# Altium PCB 2024001 A Soutra Plainsong Metronome_PCB.PcbDoc (part 1 of 2) (continued)
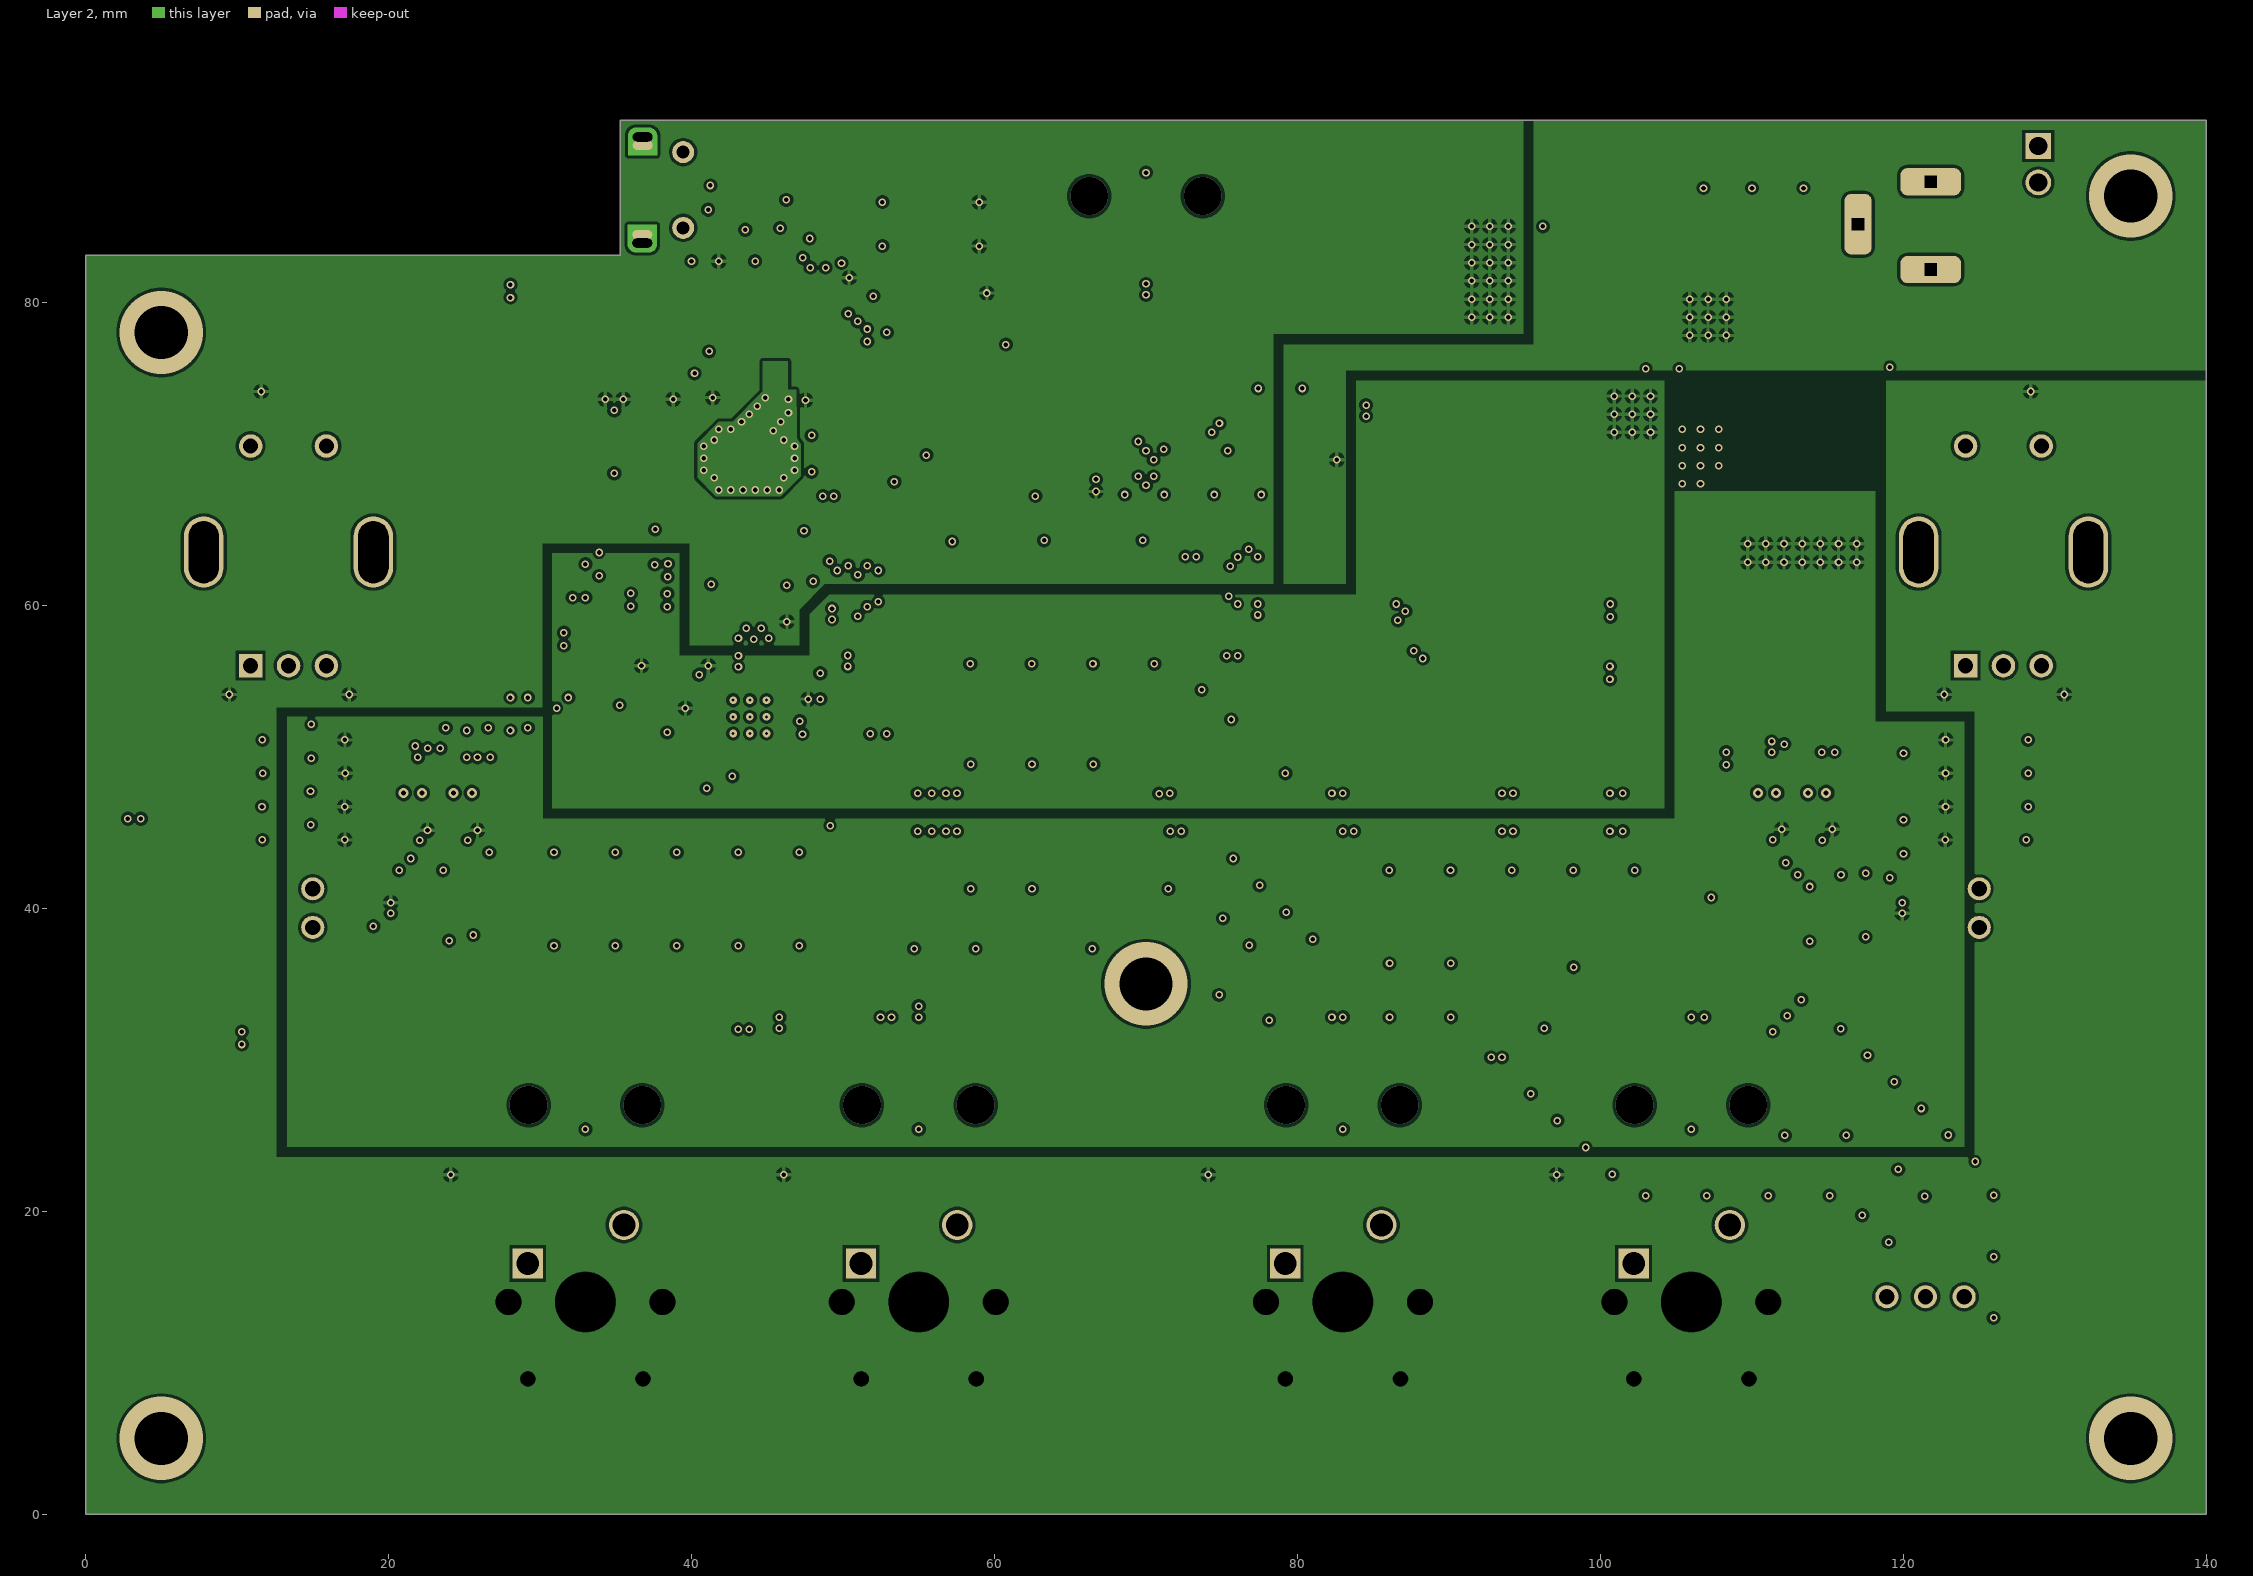
[diagram p3: Layer 2]
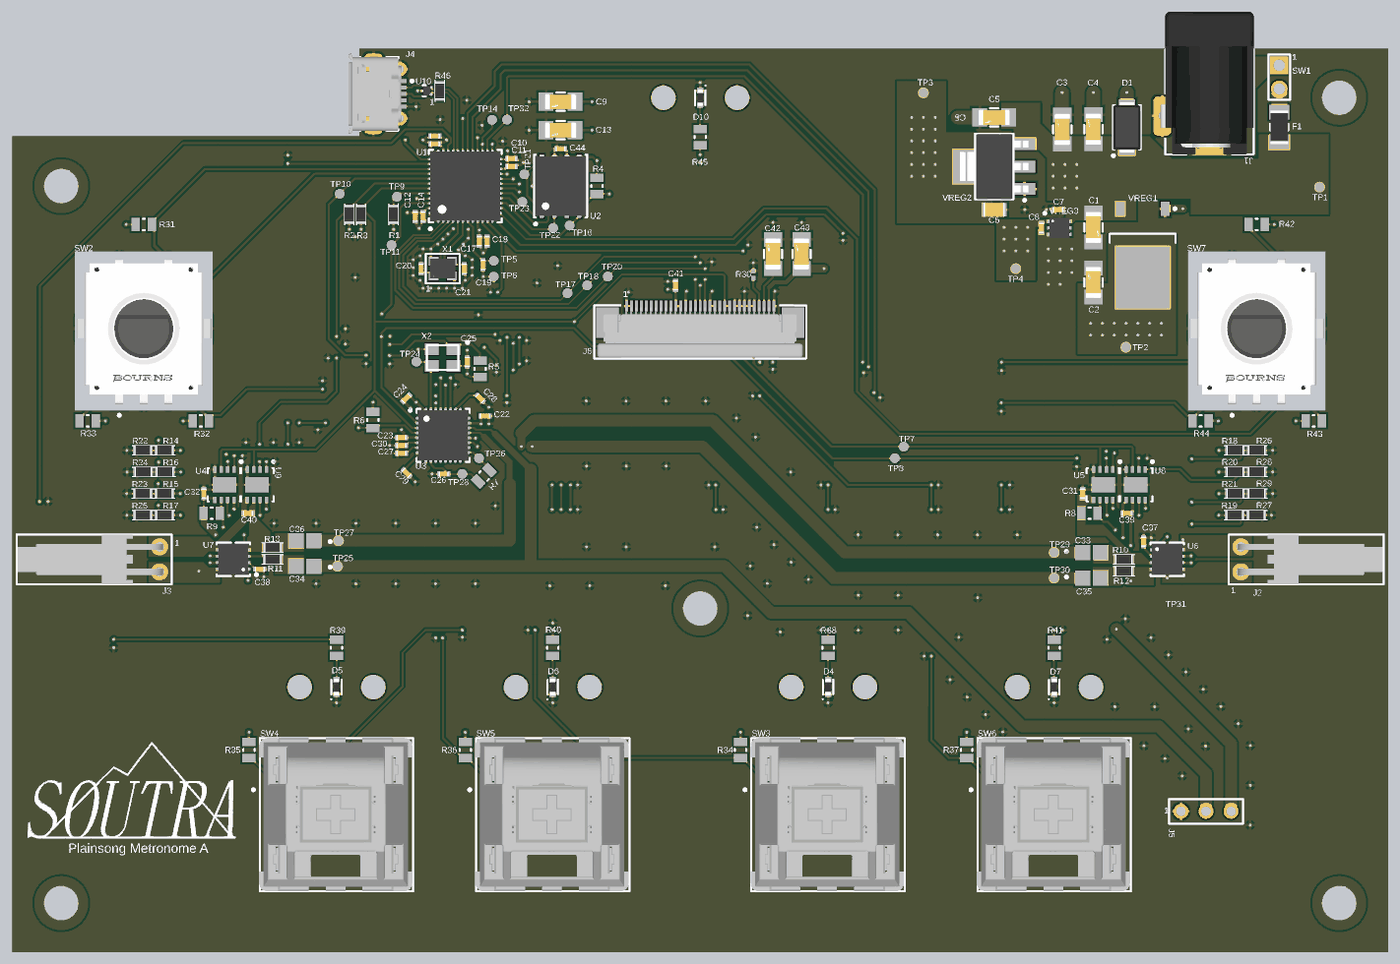
[diagram p5: 3D render of the assembled board from above, using the file's embedded part models]

## Layer stack, top to bottom
Top Solder: solder mask 0.0102, Solder Resist, Dk 3.5
Top Layer: signal copper 0.0356
Prepreg 1: prepreg 0.2104, PP-023, Dk 4.5
Layer 1: signal copper 0.0152
Dielectric: dielectric 1.065, FR-4, Dk 4.8
Layer 2: signal copper 0.0152
Prepreg 2: prepreg 0.2104, PP-023, Dk 4.5
Bottom Layer: signal copper 0.0356
Bottom Solder: solder mask 0.0102, Solder Resist, Dk 3.5

## Board outline
35.3,92 35.3,83.1 0,83.1 0,0 140,0 140,92

## Design rules (kind name [scope] priority, off if disabled: settings)
Clearance Clearance_1 [(ExistsOnLayer('Layer 1') Or ExistsOnLayer('Layer 2')) vs (ExistsOnLayer('Layer 1') Or ExistsOnLayer('Layer 2'))] p1: gap=0.2 ignorepadtopadclearanceinfootprint=FALSE except(0: Arc-Hole Track-Hole SMDPad-Hole THPad-Hole Via-Hole Fill-Hole Poly-Hole Region-Hole Text-Hole; 0.1: Arc-Arc Arc-Track Arc-SMDPad Arc-THPad Arc-Via Arc-Text Track-Track Track-SMDPad Track-THPad Track-Via Track-Text SMDPad-SMDPad SMDPad-THPad SMDPad-Via SMDPad-Text THPad-THPad THPad-Via THPad-Text Via-Via Via-Text Text-Text; 0.254: Hole-Hole)
Clearance Clearance_2 [(ExistsOnLayer('Top Layer') Or ExistsOnLayer('Bottom Layer')) vs (ExistsOnLayer('Top Layer') Or ExistsOnLayer('Bottom Layer'))] p2: gap=0.2 ignorepadtopadclearanceinfootprint=FALSE except(0: Arc-Hole Track-Hole SMDPad-Hole THPad-Hole Via-Hole Fill-Hole Poly-Hole Region-Hole Text-Hole; 0.1: Arc-Arc Arc-Track Arc-SMDPad Arc-THPad Arc-Via Arc-Text Track-Track Track-SMDPad Track-THPad Track-Via Track-Text SMDPad-SMDPad SMDPad-THPad SMDPad-Via SMDPad-Text THPad-THPad THPad-Via THPad-Text Via-Via Via-Text Text-Text; 0.254: Hole-Hole)
Clearance Clearance_1 [(ExistsOnLayer('Layer 1') Or ExistsOnLayer('Layer 2')) vs (ExistsOnLayer('Layer 1') Or ExistsOnLayer('Layer 2'))] p3: gap=0.2 ignorepadtopadclearanceinfootprint=FALSE except(0: Arc-Hole Track-Hole SMDPad-Hole THPad-Hole Via-Hole Fill-Hole Poly-Hole Region-Hole Text-Hole; 0.1: Arc-Arc Arc-Track Arc-SMDPad Arc-THPad Arc-Text Track-Track Track-SMDPad Track-THPad Track-Text SMDPad-Text THPad-Text Text-Text; 0.15: SMDPad-SMDPad; 0.254: Fill-Fill Fill-Poly Fill-Region Poly-Poly Poly-Region Region-Region Hole-Hole) sourcerule=63 cellrowname=All cellrowtype=0 cellcolname=All cellcoltype=0 innerlayers=TRUE
Clearance Clearance_2 [(ExistsOnLayer('Top Layer') Or ExistsOnLayer('Bottom Layer')) vs (ExistsOnLayer('Top Layer') Or ExistsOnLayer('Bottom Layer'))] p4: gap=0.2 ignorepadtopadclearanceinfootprint=FALSE except(0: Arc-Hole Track-Hole SMDPad-Hole THPad-Hole Via-Hole Fill-Hole Poly-Hole Region-Hole Text-Hole; 0.1: Arc-Arc Arc-Track Arc-SMDPad Arc-THPad Arc-Text Track-Track Track-SMDPad Track-THPad Track-Text SMDPad-Text THPad-Text Text-Text; 0.15: SMDPad-SMDPad; 0.254: Fill-Fill Fill-Poly Fill-Region Poly-Poly Poly-Region Region-Region Hole-Hole) sourcerule=63 cellrowname=All cellrowtype=0 cellcolname=All cellcoltype=0 outerlayers=TRUE
Clearance [All] p5: gap=0.254 ignorepadtopadclearanceinfootprint=FALSE except(0: Arc-Hole Track-Hole SMDPad-Hole THPad-Hole Via-Hole Fill-Hole Poly-Hole Region-Hole Text-Hole) ismatrix=TRUE
ComponentClearance [All] p1: gap=0 collisioncheckmode=3 verticalgap=2540 showdistances=FALSE
DiffPairsRouting DiffPair_DiffPairsRouting [All] p1: maxlimit=0.254 minlimit=0.1 mostfreqgap=0.254 toplayer_maxgap=0.1 toplayer_prefgap=0.1 toplayer_minwidth=0.2 toplayer_maxwidth=0.2 toplayer_prefwidth=0.2 bottomlayer_maxgap=0.1 bottomlayer_prefgap=0.1 bottomlayer_minwidth=0.2 bottomlayer_maxwidth=0.2 bottomlayer_prefwidth=0.2 impedanceprofiledriven=TRUE impedanceprofileid={6ACF20EE-0546-4BF1-9642-2A39FABEDF21} impedanceprofilevalue=90.000000 maxuncoupledlength=12.7
HoleSize [All] p1: absolutevalues=TRUE maxlimit=6.3 minlimit=0.15 maxpercent=80.000 minpercent=20.000
MinimumSolderMaskSliver [All] p1: minsoldermaskwidth=0.1
PlaneConnect DirectPlaneConnect [All] p1: planeconnectstyle=Direct reliefexpansion=0.508 reliefentries=2 reliefconductorwidth=0.254 reliefairgap=0.254
PlaneConnect [All] p2: planeconnectstyle=Relief reliefexpansion=0.2 reliefentries=4 reliefconductorwidth=0.2 reliefairgap=0.2
PolygonConnect PolygonConnect_19 [All vs IsNamedPolygon('NETC33_2_L01_P040')] p1: connectstyle=Direct reliefconductorwidth=0.254 reliefentries=4 polygonreliefangle="90 Angle" airgapwidth=0.254
PolygonConnect PolygonConnect_18 [All vs IsNamedPolygon('NETC35_2_L01_P041')] p2: connectstyle=Direct reliefconductorwidth=0.254 reliefentries=4 polygonreliefangle="90 Angle" airgapwidth=0.254
PolygonConnect PolygonConnect_17 [All vs IsNamedPolygon('NETC39_1_L01_P039')] p3: connectstyle=Direct reliefconductorwidth=0.254 reliefentries=4 polygonreliefangle="90 Angle" airgapwidth=0.254
PolygonConnect PolygonConnect_16 [All vs IsNamedPolygon('NETC31_1_L01_P038')] p4: connectstyle=Direct reliefconductorwidth=0.254 reliefentries=4 polygonreliefangle="90 Angle" airgapwidth=0.254
PolygonConnect PolygonConnect_15 [All vs IsNamedPolygon('NETC40_1_L01_P037')] p5: connectstyle=Direct reliefconductorwidth=0.254 reliefentries=4 polygonreliefangle="90 Angle" airgapwidth=0.254
PolygonConnect PolygonConnect_14 [All vs IsNamedPolygon('NETC34_2_L01_P035')] p6: connectstyle=Direct reliefconductorwidth=0.254 reliefentries=4 polygonreliefangle="90 Angle" airgapwidth=0.254
PolygonConnect PolygonConnect_13 [All vs IsNamedPolygon('NETC36_2_L01_P036')] p7: connectstyle=Direct reliefconductorwidth=0.254 reliefentries=4 polygonreliefangle="90 Angle" airgapwidth=0.254
PolygonConnect PolygonConnect_12 [All vs IsNamedPolygon('NETJ2_2_L01_P034')] p8: connectstyle=Direct reliefconductorwidth=0.254 reliefentries=4 polygonreliefangle="90 Angle" airgapwidth=0.254
PolygonConnect PolygonConnect_11 [All vs IsNamedPolygon('NETC39_2_L01_P033')] p9: connectstyle=Direct reliefconductorwidth=0.254 reliefentries=4 polygonreliefangle="90 Angle" airgapwidth=0.254
PolygonConnect PolygonConnect_10 [All vs IsNamedPolygon('NETJ3_2_L01_P032')] p10: connectstyle=Direct reliefconductorwidth=0.254 reliefentries=4 polygonreliefangle="90 Angle" airgapwidth=0.254
PolygonConnect PolygonConnect_9 [All vs IsNamedPolygon('NETC40_2_L01_P031')] p11: connectstyle=Direct reliefconductorwidth=0.254 reliefentries=4 polygonreliefangle="90 Angle" airgapwidth=0.254
PolygonConnect PolygonConnect_8 [All vs IsNamedPolygon('GND_L03_P025')] p12: connectstyle=Direct reliefconductorwidth=0.254 reliefentries=4 polygonreliefangle="90 Angle" airgapwidth=0.254
PolygonConnect PolygonConnect_7 [All vs IsNamedPolygon('INPUT_POWER_POUR')] p13: connectstyle=Direct reliefconductorwidth=0.254 reliefentries=4 polygonreliefangle="90 Angle" airgapwidth=0.254
PolygonConnect PolygonConnect_6 [All vs IsNamedPolygon('Top Layer-No Net')] p14: connectstyle=Direct reliefconductorwidth=0.254 reliefentries=4 polygonreliefangle="90 Angle" airgapwidth=0.254
PolygonConnect PolygonConnect_5 [All vs IsNamedPolygon('Top Layer-GND')] p15: connectstyle=Direct reliefconductorwidth=0.254 reliefentries=4 polygonreliefangle="90 Angle" airgapwidth=0.254
PolygonConnect PolygonConnect_4 [All vs IsNamedPolygon('+9V_L01_P023')] p16: connectstyle=Direct reliefconductorwidth=0.254 reliefentries=4 polygonreliefangle="90 Angle" airgapwidth=0.254
PolygonConnect PolygonConnect_3 [All vs IsNamedPolygon('+5V_L01_P021')] p17: connectstyle=Direct reliefconductorwidth=0.254 reliefentries=4 polygonreliefangle="90 Angle" airgapwidth=0.254
PolygonConnect PolygonConnect_2 [All vs IsNamedPolygon('+3V3_L01_P022')] p18: connectstyle=Direct reliefconductorwidth=0.254 reliefentries=4 polygonreliefangle="90 Angle" airgapwidth=0.254
PolygonConnect PolygonConnect_1 [All vs IsNamedPolygon('+9V_L03_P030')] p19: connectstyle=Relief reliefconductorwidth=0.254 reliefentries=4 polygonreliefangle="90 Angle" airgapwidth=0.254
PolygonConnect [All] p20: connectstyle=Relief reliefconductorwidth=0.254 reliefentries=4 polygonreliefangle="90 Angle" airgapwidth=0.254
RoutingVias [All] p1: holewidth=0.711 width=1.27 viastyle="Through Hole" minholewidth=0.711 minwidth=1.27 maxholewidth=0.711 maxwidth=1.27
SilkToSilkClearance [All] p1: silktosilkclearance=0
SilkToSolderMaskClearance [IsPad] p1: minsilkscreentomaskgap=0 clearancetoexposedcopper=TRUE
SolderMaskExpansion [All] p1: expansion=0.102 istentingtop=FALSE
SupplyNets "Schematic Supply Nets_5" [InNet('+3V3')] p1: voltage=0.000
SupplyNets "Schematic Supply Nets_3" [InNet('+1V8')] p2: voltage=0.000
SupplyNets "Schematic Supply Nets_2" [InNet('+5V')] p3: voltage=0.000
SupplyNets "Schematic Supply Nets_1" [InNet('GND')] p4: voltage=0.000
SupplyNets "Schematic Supply Nets" [InNet('+9V')] p5: voltage=0.000
Width "JLC Width" [All] p1: maxlimit=1.6 minlimit=0.1 preferedwidth=0.2 minimp=50.000000 maximp=50.000000 favimp=50.000000
23 further rules are at their usual default settings.

## Classes and differential pairs
component class Designator: D4 D5 D6 D7 D10 R31 R32 R33 R34 R35 R36 R37 R38 R39 R40 R41 R42 R43 R44 R45 SW2 SW3 SW4 SW5 SW6 SW7

## Components (designator, comment, footprint, x,y, rotation, side; value= is the part's Value field where it differs from the comment)
C1 "1206B106K250CP" CC1206-IPC_A 110,73.8 r270 top value=10uF
C2 "1206B106K250CP" CC1206-IPC_A 110,68.2 r90 top value=10uF
C3 "CL31B475KAHNNNE" CC1206-IPC_A 106.828,83.78 r90 top value=4.7uF
C4 "CL31B475KAHNNNE" CC1206-IPC_A 109.992,83.8 r90 top value=4.7uF
C5 "1206B106K250CP" CC1206-IPC_A 99.9,85 r180 top value=10uF
C6 "GRM21BR61A226ME51L" CAPC2012X14L 99.9,75.6 r0 top value=22uF
C7 "CC0402KRX5R6BB105" CAPC1005X06L 106.4,75.6 r180 top value=1uF
C8 "CC0402KRX5R6BB105" CAPC1005X06L 104.7,73.75 r270 top value=1uF
C9 "CL31B475KAHNNNE" CC1206-IPC_A 55.8,86.6 r180 top value=4.7uF
C10 "0402X104M160CT" CAPC1005X06L 50.8,80.8 r0 top value=100nF
C11 "0402X104M160CT" CAPC1005X06L 50.8,80 r0 top value=100nF
C12 "0402X104M160CT" CAPC1005X06L 41,74.9 r90 top value=100nF
C13 "CL31B475KAHNNNE" CC1206-IPC_A 55.8,83.7 r180 top value=4.7uF
C14 "0402X104M160CT" CAPC1005X06L 41.8,74.9 r90 top value=100nF
C15 "0402X104M160CT" CAPC1005X06L 43,83.1 r0 top value=100nF
C16 "0402X104M160CT" CAPC1005X06L 43,82.3 r0 top value=100nF
C17 "0402X104M160CT" CAPC1005X06L 47.525,72.4 r270 top value=100nF
C18 "CC0402KRX5R6BB105" CAPC1005X06L 48.325,72.4 r270 top value=1uF
C19 "0402X104M160CT" CAPC1005X06L 47.9,70 r270 top value=100nF
C20 "CC0402CRNPO9BN5R0" CAPC1005X06L 41.6,69.6 r90 top value=5pF
C21 "CC0402CRNPO9BN5R0" CAPC1005X06L 46,69.6 r270 top value=5pF
C22 "CC0402KRX5R6BB105" CAPC1005X06L 48.1,54.6 r0 top value=1uF
C23 "CC0402KRX5R6BB105" CAPC1005X06L 39.6,52.4 r180 top value=1uF
C24 "CC0402KRX5R6BB105" CAPC1005X06L 40.1,56.4 r225 top value=1uF
C25 "0402X104M160CT" CAPC1005X06L 46.3,60.1 r90 top value=100nF
C26 "CC0402KRX5R6BB105" CAPC1005X06L 43.9,48.7 r180 top value=1uF
C27 "CC0402KRX5R6BB105" CAPC1005X06L 39.6,50.8 r180 top value=1uF
C28 "CC0402KRX5R6BB105" CAPC1005X06L 47.6,56.4 r315 top value=1uF
C29 "CC0402KRX5R6BB105" CAPC1005X06L 40.1,48.8 r315 top value=1uF
C30 "CC0402MRX5R5BB225" CAPC1005X06L 39.6,51.6 r180 top value=2.2uF
C31 "CC0402KPX7R9BB221" CAPC1005X06L 108.9,46.7 r90 top value=220pF
C32 "CC0402KPX7R9BB221" CAPC1005X06L 19.5,46.7 r90 top value=220pF
C33 "TAJR225K016RNJ" CAPC2113X120X50ML20T30 109.8,40.7 r0 top value=2.2uF
C34 "TAJR225K016RNJ" CAPC2113X120X50ML20T30 29.8,39.3 r180 top value=2.2uF
C35 "TAJR225K016RNJ" CAPC2113X120X50ML20T30 109.8,38.1 r0 top value=2.2uF
C36 "TAJR225K016RNJ" CAPC2113X120X50ML20T30 29.8,41.9 r180 top value=2.2uF
C37 "CC0402KRX5R6BB105" CAPC1005X06L 115.1,41.8 r90 top value=1uF
C38 "CC0402KRX5R6BB105" CAPC1005X06L 25.2,39 r0 top value=1uF
C39 "CC0402KPX7R9BB221" CAPC1005X06L 113.4,44.7 r180 top value=220pF
C40 "CC0402KPX7R9BB221" CAPC1005X06L 24,44.7 r180 top value=220pF
C41 "CC0402KRX5R6BB105" CAPC1005X06L 67.5,67.9 r270 top value=1uF
C42 "CL31B475KAHNNNE" CC1206-IPC_A 77.4,71.1 r90 top value=4.7uF
C43 "CL31B475KAHNNNE" CC1206-IPC_A 80.3,71.1 r90 top value=4.7uF
C44 "0402X104M160CT" CAPC1005X06L 55.8,81.8 r180 top value=100nF
D1 "SMAJ13CAHM3_A/H" SODFL511X229-2N 113.4,84 r90 top
D4 "MP008282" DIOC_0603_1706X06L 83,27 r90 top
D5 "MP008282" DIOC_0603_1706X06L 33,27 r90 top
D6 "MP008282" DIOC_0603_1706X06L 55,27 r90 top
D7 "MP008282" DIOC_0603_1706X06L 106,27 r90 top
D10 "MP008282" DIOC_0603_1706X06L 70,87 r270 top
F1 "MP001600" FUSE_3216X08L 128.9,84 r270 top
J1 "694103303002" WURTH_694106301002 121.8,88.5 r180 top
J2 "22-05-7028" J_MOLEX_22-05-7028 125,40 r90 top
J3 "22-05-7028" J_MOLEX_22-05-7028 15,40 r270 top
J4 "1050170001" 1050170001_USB-MICRO-B_V 38.1,87.4 r270 top
J5 "TRS Audio Connector - Wire-to-board" J_GENERIC_PIN-HEADER_2.54_1X3 121.45,14.35 r0 top
J6 "3-1734592-1" AMP-TE_3-1734592-1 70,63.5 r0 top
R1 "MC0063W06030R" RESC_0603_1608X06L 38.8,75.125 r270 top value=0R
R2 "RK73B1JTTD103J" RESC_0603_1608X06L 34.3,75.125 r270 top value=10kR
R3 "RK73B1JTTD103J" RESC_0603_1608X06L 35.5,75.125 r270 top value=10kR
R4 "RC0805JR-0710KL" RESC_0805_2013X50X30LL20T20 59.5,78 r90 top value=10kR
R5 "RC0805JR-0710KL" RESC_0805_2013X50X30LL20T20 47.6,59.4 r270 top value=10kR
R6 "RC0805JR-0710KL" RESC_0805_2013X50X30LL20T20 36.7,54.2 r90 top value=10kR
R7 "CRGH0805F2K7" RESC_0805_2013X50X30LL20T20 48,48.5 r225 top value=2.7k
R8 "RC0805JR-0710KL" RESC_0805_2013X50X30LL20T20 109.6,44.7 r0 top value=10kR
R9 "RC0805JR-0710KL" RESC_0805_2013X50X30LL20T20 20.3,44.7 r0 top value=10kR
R10 "MCMR06X512JTL" RESC_0603_1608X06L 113.1,40 r0 top value=5.1kR
R11 "MCMR06X512JTL" RESC_0603_1608X06L 26.5,40 r180 top value=5.1kR
R12 "MCMR06X512JTL" RESC_0603_1608X06L 113.1,38.8 r0 top value=5.1kR
R13 "MCMR06X512JTL" RESC_0603_1608X06L 26.5,41.2 r180 top value=5.1kR
R14 "MC0063W06030R" RESC_0603_1608X06L 15.5,51.1 r0 top value=0R
R15 "MC0063W06030R" RESC_0603_1608X06L 15.475,46.7 r0 top value=0R
R16 "MC0063W06030R" RESC_0603_1608X06L 15.525,48.9 r0 top value=0R
R17 "MC0063W06030R" RESC_0603_1608X06L 15.5,44.5 r0 top value=0R
R18 "MC0063W06030R" RESC_0603_1608X06L 124.4,51.1 r180 top value=0R
R19 "MC0063W06030R" RESC_0603_1608X06L 124.375,44.5 r180 top value=0R
R20 "MC0063W06030R" RESC_0603_1608X06L 124.4,48.9 r180 top value=0R
R21 "MC0063W06030R" RESC_0603_1608X06L 124.4,46.7 r180 top value=0R
R22 "MC0063W06030R" RESC_0603_1608X06L 13.3,51.1 r0 top value=0R
R23 "MC0063W06030R" RESC_0603_1608X06L 13.275,46.7 r0 top value=0R
R24 "MC0063W06030R" RESC_0603_1608X06L 13.325,48.9 r0 top value=0R
R25 "MC0063W06030R" RESC_0603_1608X06L 13.3,44.5 r0 top value=0R
R26 "MC0063W06030R" RESC_0603_1608X06L 126.6,51.1 r180 top value=0R
R27 "MC0063W06030R" RESC_0603_1608X06L 126.575,44.5 r180 top value=0R
R28 "MC0063W06030R" RESC_0603_1608X06L 126.6,48.9 r180 top value=0R
R29 "MC0063W06030R" RESC_0603_1608X06L 126.6,46.7 r180 top value=0R
R30 "RC0402FR-07590KL" RESC_0402_1005X40X25LL05T10 75.4,69 r270 top value=590kR
R31 "RC0805JR-0710KL" RESC_0805_2013X50X30LL20T20 13.4,74.1 r180 top value=10kR
R32 "RC0805JR-0710KL" RESC_0805_2013X50X30LL20T20 19.2,54.1 r180 top value=10kR
R33 "RC0805JR-0710KL" RESC_0805_2013X50X30LL20T20 7.7,54.1 r0 top value=10kR
R34 "RC0805JR-0710KL" RESC_0805_2013X50X30LL20T20 74.1,20.6 r90 top value=10kR
R35 "RC0805JR-0710KL" RESC_0805_2013X50X30LL20T20 24.1,20.6 r90 top value=10kR
R36 "RC0805JR-0710KL" RESC_0805_2013X50X30LL20T20 46.1,20.6 r90 top value=10kR
R37 "RC0805JR-0710KL" RESC_0805_2013X50X30LL20T20 97.1,20.6 r90 top value=10kR
R38 "CRCW0805100RFKTA" RESC_0805_2013X50X30LL20T20 83,31 r270 top value=100R
R39 "CRCW0805100RFKTA" RESC_0805_2013X50X30LL20T20 33,31 r270 top value=100R
R40 "CRCW0805100RFKTA" RESC_0805_2013X50X30LL20T20 55,31 r270 top value=100R
R41 "CRCW0805100RFKTA" RESC_0805_2013X50X30LL20T20 106,31 r270 top value=100R
R42 "RC0805JR-0710KL" RESC_0805_2013X50X30LL20T20 126.6,74.1 r0 top value=10kR
R43 "RC0805JR-0710KL" RESC_0805_2013X50X30LL20T20 132.4,54.1 r180 top value=10kR
R44 "RC0805JR-0710KL" RESC_0805_2013X50X30LL20T20 120.9,54.1 r0 top value=10kR
R45 "CRCW0805100RFKTA" RESC_0805_2013X50X30LL20T20 70,83 r90 top value=100R
R46 "ERJ-PA3F91R0V" RESC_0603_1608X06L 43.5,87.7 r270 top value=91
SW1 "SW_PTH-WIRE-TO_BOARD_D1.2" SW_PTH-Wire-to-Board-D1.2 128.9,89.1 r270 top
SW2 "PEC12R-4220F-S0024" BOURNS_PEC12R-4220F-S0024 13.4,63.5 r0 top
SW3 "MX1A-11NW" CHERRY_MX1A-11NW 83,14 r0 top
SW4 "MX1A-11NW" CHERRY_MX1A-11NW 33,14 r0 top
SW5 "MX1A-11NW" CHERRY_MX1A-11NW 55,14 r0 top
SW6 "MX1A-11NW" CHERRY_MX1A-11NW 106,14 r0 top
SW7 "PEC12R-4220F-S0024" BOURNS_PEC12R-4220F-S0024 126.6,63.5 r0 top
TP1 "TP_CIRCLE_R1" TP_CIRCLE_R1#1 133,77.9 r0 top
TP2 "TP_CIRCLE_R1" TP_CIRCLE_R1#1 113.3,61.6 r0 top
TP3 "TP_CIRCLE_R1" TP_CIRCLE_R1#1 92.7,87.5 r0 top
TP4 "TP_CIRCLE_R1" TP_CIRCLE_R1#1 102.1,69.6 r90 top
TP5 "TP_CIRCLE_R1" TP_CIRCLE_R1#1 49,70.4 r90 top
TP6 "TP_CIRCLE_R1" TP_CIRCLE_R1#1 49,68.775 r90 top
TP7 "TP_CIRCLE_R1" TP_CIRCLE_R1#1 90.7,51.475 r0 top
TP8 "TP_CIRCLE_R1" TP_CIRCLE_R1#1 89.8,50.3 r0 top
TP9 "TP_CIRCLE_R1" TP_CIRCLE_R1#1 39.15,76.925 r0 top
TP10 "TP_CIRCLE_R1" TP_CIRCLE_R1#1 33.325,77.225 r0 top
TP11 "TP_CIRCLE_R1" TP_CIRCLE_R1#1 38.6,72 r0 top
TP12 "TP_CIRCLE_R1" TP_CIRCLE_R1#2 49.25,56.65 r0 top
TP13 "TP_CIRCLE_R1" TP_CIRCLE_R1#2 48.866,83.639 r0 top
TP14 "TP_CIRCLE_R1" TP_CIRCLE_R1#1 48.825,84.75 r0 top
TP15 "TP_CIRCLE_R1" TP_CIRCLE_R1#2 46.5,82.05 r0 top
TP16 "TP_CIRCLE_R1" TP_CIRCLE_R1#1 56.718,73.987 r0 top